# Allegro board MinnowMax_RevA1.brd (continued)
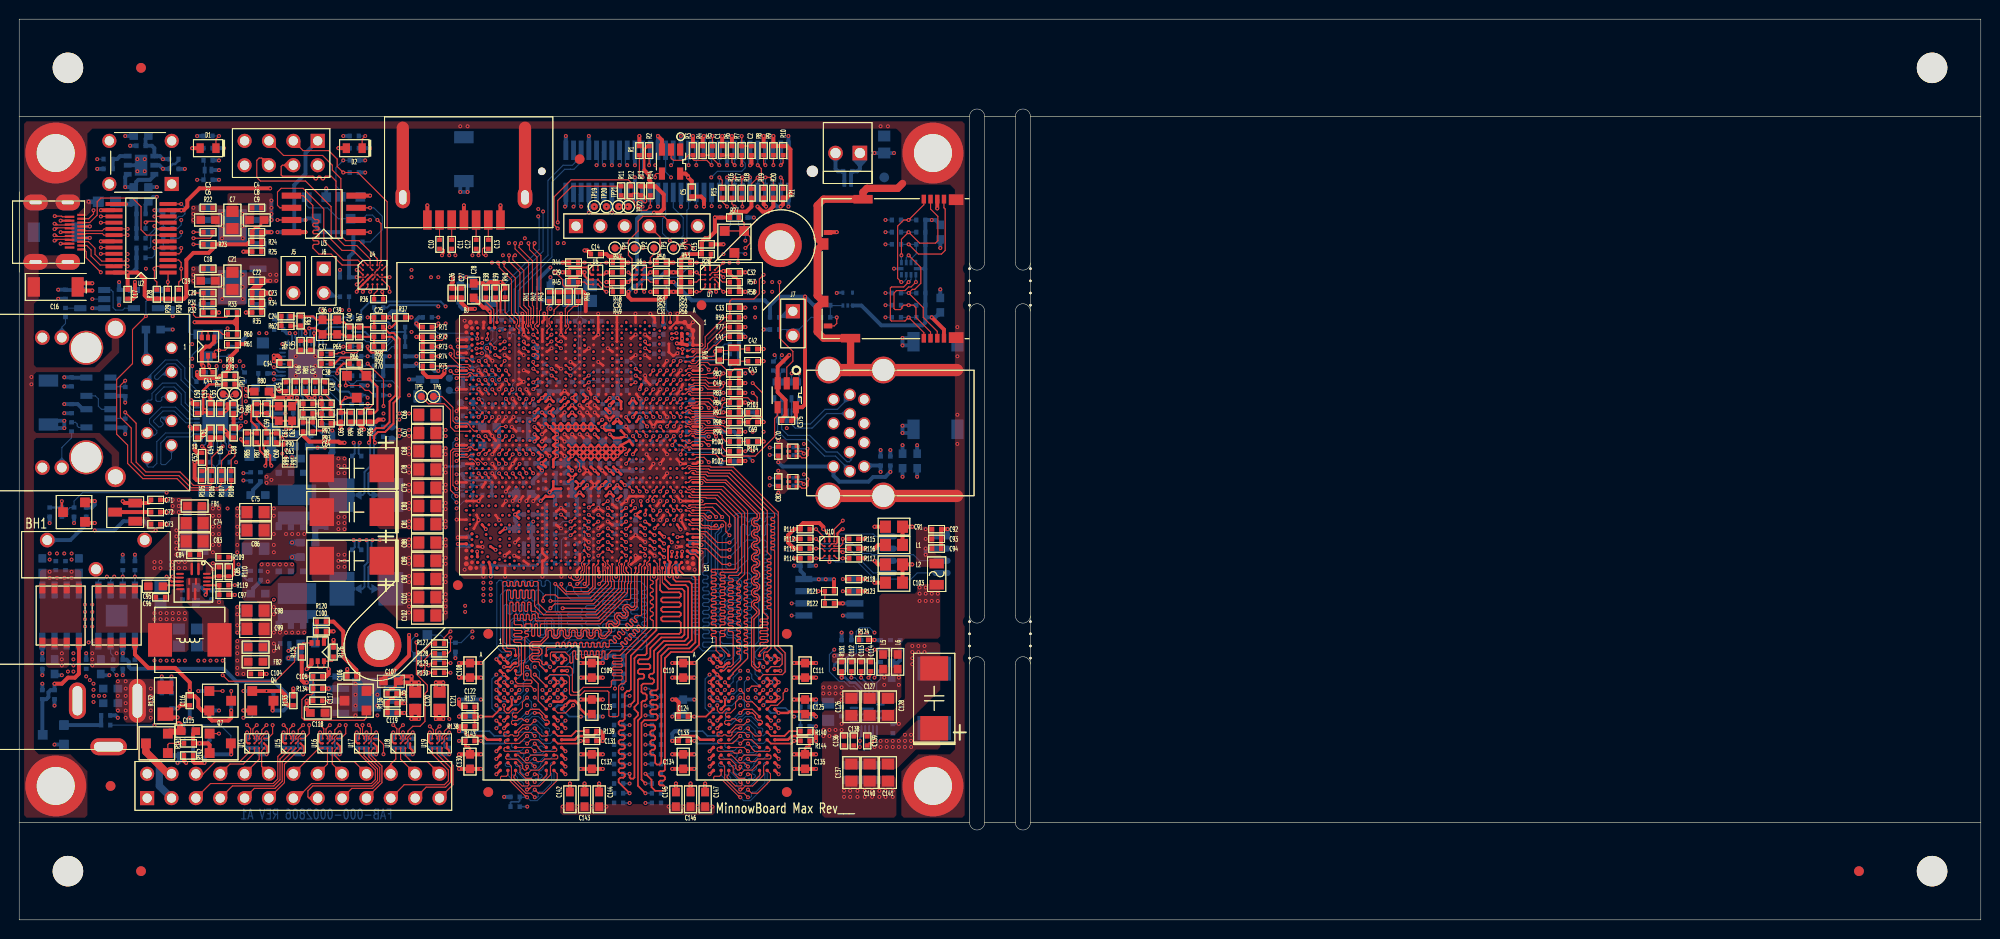
[diagram p0: board, top side]
## Routing (per net, layer and track width the routed paths; a pad name or vN(x,y) marks a point on that pad's centre or on a via; arc(x,y) is an arc through that point) (continued)
  BOTTOM w0.114: v1(78.61,78.74) 78.61,80.27 J10.56
XDP_H_TRSTB: length 32.3
  TOP w0.114: v1(76.98,78.74) 77,78.74 77.36,78.38 77.36,77.13 77.6,76.89 R19.2 ; v1(67.53,57.34) 67.32,57.05 CPU1.G12
  INT3(V) w0.102: v1(67.53,57.34) 67.88,57.7 67.88,59.75 67.56,60.07 67.56,61.09 68.96,62.48 68.96,71.75 70.92,73.72 70.92,74.73 73.15,76.96 76.2,76.96 76.58,77.34 76.58,78.34 v1(76.98,78.74)
  BOTTOM w0.114: J10.52 v1(76.98,78.74)
XTAL25_IN: length 11.3
  TOP w0.114: CPU1.AH12 57.46,56.8 v1(57.47,56.79)
  BOTTOM w0.102: 58.55,63.5 58.55,62.86 58.89,62.52 R188.1
  BOTTOM w0.114: v1(57.47,56.79) 58.55,57.87 58.55,62.12 58.89,62.47 R188.1 C175.2 ; Y2.1 59.2,64.9 58.67,64.9 58.55,64.77 58.55,63.5
XTAL25_OUT: length 11.4
  TOP w0.114: CPU1.AH10 v1(57.47,57.5)
  BOTTOM w0.114: R188.2 57.95,62.5 58.29,62.84 58.29,65.26 Y2.3 ; R188.2 57.95,62.47 58.29,62.12 58.29,58.04 57.76,57.5 v1(57.47,57.5) ; R188.2 C176.2
N18417020: length 2.7
  TOP w0.102: 55.24,64.14 55.02,63.91 55.02,63.61 55.09,63.53 55.09,63.1 55.02,63.02 CPU1.AM2
  TOP w0.114: R41.2 55.24,64.14
N18419628: length 2.8
  TOP w0.102: 56.92,63.5 56.92,62 CPU1.AH2
  TOP w0.114: R43.1 57.28,64.14 56.92,63.78 56.92,63.5
N18424203: length 4.2
  TOP w0.102: 57.28,63.5 57.15,63.37 57.15,62.21 57.28,62.08 57.28,61.85 56.96,61.53 CPU1.AH3
  TOP w0.114: 57.28,63.5 57.78,64.01 58.17,64.01 58.29,64.14 R46.1
N18467261: length 3.6
  TOP w0.114: v1(71.88,47.75) 71.37,48.26 70.61,48.26 70.42,48.07 CPU1.B30
  BOTTOM w0.114: TP15.1 v1(71.88,47.75)
N20603611: length 12
  TOP w0.114: v1(70.23,70.11) 69.85,70.48 68.58,70.48 TP4.1 ; v1(67.87,63.25) CPU1.F1
  BOTTOM w0.114: v1(70.23,70.11) 69.85,69.72 69.85,68.2 68.71,67.06 67.82,67.06 67.44,66.67 67.44,63.68 v1(67.87,63.25)
N20603657: length 21.6
  TOP w0.114: CPU1.AA22 v1(60.77,52.18) ; TP2.1 v1(65.02,70.1)
  INT3(V) w0.102: v1(60.77,52.18) 60.77,63.57 62.1,64.9 62.1,67.94 64.26,70.1 v1(65.02,70.1)
N20603668: length 27.8
  TOP w0.114: CPU1.AF30 58.42,47.62 v1(58.42,46.88) ; TP1.1 v1(62.99,70.1)
  INT3(V) w0.102: v1(62.99,70.1) 61.72,68.83 61.72,65.41 58.8,62.48 58.8,53.59 58.55,53.34 58.29,53.34 58.04,53.09 58.04,47.26 v1(58.42,46.88)
N22512410:
  vias: v1(5.08,25.91) v1(5.65,27.81) v1(5.65,27.18) v1(5.65,26.54) v1(5.65,25.91) v1(6.99,25.4) v1(7.37,25.02) v1(7.75,24.64) v1(7.75,24) v1(7.75,23.37) v1(7.75,22.73) v1(8.32,23.37) v1(8.89,23.37)
N22694973: length 2.7
  BOTTOM w0.114: R299.2 89.79,25.15 89.39,24.75 U37.18
N22704229: length 4.6
  TOP w0.406: C71.1 13.43,43.49 Q2.2 10.99,43.49 v1(10.79,43.69)
  BOTTOM w0.406: Q2.2 10.99,43.49 v1(10.79,43.69)
N22704231: length 1.8
  BOTTOM w0.406: R291.2 19.78,33.15 C306.2
N22704235: length 3.8
  TOP w0.406: C72.2 Q2.3
N22704249: length 10.1
  TOP w0.203: v1(15.37,35.81) 15.88,35.31 U13.5
  TOP w0.406: v1(15.37,42.55) C72.1
  INT3(V) w0.406: v1(15.37,35.81) 15.37,37.72 14.8,38.29 14.8,41.97 v1(15.37,42.55)
  BOTTOM w0.406: C72.1 v1(15.37,42.55)
N22704253: length 3.8
  BOTTOM w0.406: Q9.3 C283.2
N26450509: length 3.9
  TOP w0.102: 55.75,63.5 55.75,63.25 55.23,62.72 55.23,62.18 55.37,62.04 55.37,61.88 55.02,61.52 CPU1.AM3
  TOP w0.114: 55.75,63.5 55.75,63.63 56.26,64.14 R42.2
N26450953: length 3
  TOP w0.114: R40.1 50.65,63.4 51.62,62.43 CPU1.AW1

## Copper pours and planes (outline as drawn; the poured copper is in the pictures)
+3VSB on TOP: 10.41,28.45 10.79,28.45 11.05,28.7 11.05,29.08 10.79,29.34 7.62,29.34 7.37,29.08 7.37,26.54 7.62,26.29 10.16,26.29 10.41,26.54
+3VSB on BOTTOM: 8.51,27.94 7.62,27.94 7.49,27.81 7.49,26.54 7.62,26.42 8.51,26.42 8.64,26.54 8.64,27.81
+3VSB on INT3(V): 63.75,66.04 64.01,65.79 64.01,55.88 64.52,55.37 64.52,54.1 64.26,53.85 63.37,53.85 63.12,54.1 63.12,54.74 62.48,55.37 62.48,65.79 62.74,66.04
+3VSB on GND6: 7.87,10.67 7.62,10.92 7.62,15.75 5.59,17.78 2.29,17.78 2.03,18.03 2.03,64.01 2.54,64.52 2.54,67.44 20.07,67.44 20.32,67.18 20.32,33.78 20.83,33.27 46.99,33.27 47.24,33.02 47.24,10.92 46.99,10.67
+3VSB on INT7(H): 64.77,47.12 64.77,49.4 64.14,50.04 64.14,52.32 62.99,53.47 62.99,58.17 63.5,58.67 73.15,58.67 76.07,55.75 76.07,54.86 75.95,54.74 75.44,54.74 73.91,56.26 72.39,56.26 72.26,56.26 71.63,56.9 65.02,56.9 64.9,56.77 64.9,54.23 65.02,54.1 67.69,54.1 67.94,53.85 67.94,41.4 67.69,41.15 51.56,41.15 49.78,39.37 49.78,31.5 49.53,31.24 46.1,31.24 45.85,31.5 45.85,41.91 46.42,42.48 46.42,44.13 46.99,44.7 57.78,44.7 58.17,45.08 62.74,45.08
+3VSB on INT8(V): 28.19,50.29 27.94,50.04 26.04,50.04 24,52.07 21.84,52.07 19.3,54.61 19.3,54.99 19.43,55.12 22.86,55.12 23.11,54.86 23.11,53.85 23.37,53.59 24.77,53.59 26.8,51.56 27.94,51.56 28.19,51.31
+5VSB on BOTTOM (solid shape): 88.39,79.25 87.75,78.53 87.63,78.49 87.51,78.53 86.87,79.25 87.63,80.06
+5VSB on TOP: 96.01,34.8 96.01,29.59 95.76,29.34 92.33,29.34 91.95,28.96 91.95,27.69 91.69,27.43 89.92,27.43 89.66,27.69 89.66,33.78 89.92,34.04 93.34,34.04 93.6,34.29 93.6,34.8 93.85,35.05 95.76,35.05
+5VSB on TOP: 2.16,29.08 2.16,28.7 2.41,28.45 2.79,28.45 2.79,26.54 3.05,26.29 4.95,26.29 5.21,26.54 5.21,29.08 4.95,29.34 2.41,29.34
+5VSB on TOP: 22.48,25.65 22.48,29.08 22.73,29.34 24,29.34 24.26,29.08 24.26,25.65 24,25.4 22.73,25.4
+5VSB on BOTTOM: 25.02,59.94 25.78,59.94 26.04,60.2 26.04,61.21 25.78,61.47 25.02,61.47 24.77,61.21 24.77,60.2
+5VSB on BOTTOM: 4.45,27.94 3.68,27.94 3.56,27.81 3.56,26.54 3.68,26.42 4.45,26.42 4.57,26.54 4.57,27.81
+5VSB on PWR5: 7.87,10.67 7.62,10.92 7.62,15.75 5.59,17.78 2.29,17.78 2.03,18.03 2.03,29.72 2.29,29.97 8.64,29.97 8.89,29.72 8.89,27.43 9.4,26.92 17.65,26.92 18.16,27.43 18.16,65.28 18.67,65.79 20.45,65.79 20.95,66.29 20.95,74.42 21.21,74.68 24,74.68 24.51,75.18 24.51,81.79 24.77,82.04 91.19,82.04 91.44,81.79 91.44,76.96 92.2,76.2 96.77,76.2 97.03,75.95 97.03,31.24 96.77,30.99 80.52,30.99 80.26,31.24 80.26,63.5 79.76,64.01 42.42,64.01 33.53,55.12 33.53,25.65 33.27,25.4 29.72,25.4 29.21,24.89 29.21,10.67 ; 2 cut-outs
+5VSB_SW on TOP: 25.27,26.54 25.02,26.8 25.02,33.02 24.77,33.27 23.5,33.27 23.24,33.53 23.24,39.37 23.5,39.62 24.89,39.62 25.02,39.75 25.02,42.93 25.27,43.18 29.72,43.18 29.97,42.93 29.97,29.97 29.72,29.72 27.69,29.72 27.43,29.46 27.43,26.8 27.18,26.54
+5VSB_SW on BOTTOM: 27.43,38.35 27.18,38.1 25.27,38.1 25.02,38.35 25.02,42.93 25.27,43.18 26.54,43.18 27.18,42.55 29.72,42.55 29.97,42.29 29.97,40.26 29.72,40 27.69,40 27.43,39.75
+5VSB_SW on BOTTOM: 24.77,53.97 24.64,53.85 23.5,53.85 23.37,53.97 23.37,54.74 23.5,54.86 23.88,54.86 24.26,54.48 24.64,54.48 24.77,54.36
+5VSB_SW on BOTTOM: 27.43,28.07 27.18,27.81 25.27,27.81 25.02,28.07 25.02,32.64 25.27,32.89 26.54,32.89 27.18,32.26 29.72,32.26 29.97,32 29.97,29.97 29.72,29.72 27.69,29.72 27.43,29.46
+5VSB_SW on PWR5: 23.37,54.61 23.62,54.86 27.18,54.86 30.1,51.94 30.1,29.72 28.07,27.69 25.27,27.69 25.02,27.94 25.02,38.23 23.37,39.88
+5VSB_SW on INT8(V): 24.89,27.94 24.89,43.05 25.15,43.31 28.45,43.31 28.7,43.56 28.7,51.31 28.19,51.82 27.05,51.82 25.02,53.85 23.5,53.85 23.37,53.97 23.37,54.86 23.62,55.12 26.92,55.12 30.1,51.94 30.1,27.94 29.84,27.69 25.15,27.69
+V1P0A on TOP: 21.72,67.56 21.84,67.44 22.61,67.44 22.73,67.56 22.73,67.82 24.89,67.82 25.02,67.69 25.02,66.55 25.15,66.42 26.8,66.42 27.05,66.67 27.05,68.83 26.8,69.09 21.97,69.09 21.72,68.83
+V1P0A on BOTTOM: 24.77,66.93 24.64,66.8 24.64,66.55 24.77,66.42 26.8,66.42 27.05,66.67 27.05,67.31 26.8,67.56 26.16,67.56 25.91,67.31 25.91,67.18 25.65,66.93
+V1P0A on BOTTOM: 67.06,58.93 67.94,58.93 68.96,59.94 70.1,59.94 70.1,60.33 69.6,60.33 68.71,61.21 67.06,61.21
+V1P0A on INT4(H): 33.15,67.56 25.91,67.56 25.65,67.31 25.65,66.04 25.91,65.79 32.51,65.79 35.05,63.25 43.81,63.25 44.32,62.74 57.66,62.74 58.93,61.47 65.79,61.47 67.44,59.82 69.34,59.82 69.6,60.07 69.6,63.12 69.34,63.37 60.07,63.37 58.8,64.64 36.07,64.64
+V1P0A on PWR5: 69.34,51.56 69.34,60.71 69.09,60.96 65.53,60.96 65.28,60.71 65.28,54.36 64.9,53.97 61.21,53.97 60.96,53.72 60.96,51.56 61.21,51.31 69.09,51.31
+V1P0S on BOTTOM: 44.2,20.83 44.32,20.95 44.32,22.35 44.2,22.48 40.89,22.48 40.26,23.11 38.35,23.11 38.1,22.86 38.1,21.08 38.35,20.83
+V1P0S on INT3(V): 61.09,49.53 61.98,50.42 61.98,50.8 61.09,51.69 61.09,54.61 61.34,54.86 62.61,54.86 62.87,54.61 62.87,50.17 63.75,49.28 63.75,45.34 63.5,45.08 62.87,45.08 62.61,45.34 62.61,45.97 62.1,46.48 61.34,46.48 61.09,46.74
+V1P0S on PWR5: 34.04,54.86 34.04,25.65 34.29,25.4 37.85,25.4 38.35,24.89 38.35,20.83 38.61,20.57 44.2,20.57 44.45,20.83 44.45,30.99 44.2,31.24 40.39,31.24 36.58,35.05 36.58,49.15 40.39,52.96 52.83,52.96 53.09,52.7 55.75,52.7 56.64,53.59 60.2,53.59 60.83,54.23 64.64,54.23 65.02,54.61 65.02,56.52 64.77,56.77 64.77,60.96 65.28,61.47 69.34,61.47 69.85,60.96 69.85,49.78 70.1,49.53 79.5,49.53 79.76,49.78 79.76,63.25 79.5,63.5 42.67,63.5
+V1P0S on INT7(H): 57.4,45.85 57.53,45.72 57.78,45.72 58.04,45.97 62.48,45.97 62.74,46.23 62.74,46.86 62.48,47.12 57.53,47.12 57.4,46.99
+V1P8A on INT3(V): 61.72,50.67 61.72,50.55 60.71,49.53 60.71,44.45 60.45,44.2 59.18,44.2 57.91,42.93 57.91,38.99 49.66,30.73 46.99,30.73 46.74,30.48 46.74,19.56 46.48,19.3 43.43,19.3 43.18,19.56 43.18,21.59 43.43,21.84 44.96,21.84 45.21,22.1 45.21,31.75 45.47,32 49.02,32 55.37,38.35 55.37,43.81 58.17,46.61 58.55,46.61 58.67,46.74 58.67,52.96 59.31,53.59 59.31,54.61 59.44,54.74 60.33,54.74 60.45,54.61 60.45,51.94
+V1P8A on PWR5: 61.21,50.93 60.96,50.67 60.96,50.17 61.21,49.91 63.5,49.91 63.88,49.53 63.88,47.88 64.14,47.62 79.5,47.62 79.76,47.88 79.76,48.89 79.5,49.15 69.85,49.15 69.34,49.66 69.34,50.67 69.09,50.93
+V1P8S on TOP: 21.72,73.91 21.84,73.79 22.61,73.79 22.73,73.91 22.73,74.68 22.86,74.8 24.89,74.8 25.02,74.68 25.02,72.9 25.15,72.77 26.29,72.77 26.42,72.9 26.42,75.69 26.29,75.82 21.84,75.82 21.72,75.69
+V1P8S on INT3(V): 39.37,38.35 39.37,49.66 40.13,50.42 40.13,57.91 33.66,64.39 25.91,64.39 24.13,62.61 24.13,60.96 23.88,60.71 23.37,60.71 23.11,60.96 23.11,75.18 23.37,75.44 28.83,75.44 41.78,62.48 41.78,60.58 46.1,56.26 46.1,45.08 42.16,41.15 42.16,37.34 35.05,30.23 35.05,27.18 36.83,25.4 36.83,19.69 36.45,19.3 24.64,19.3 24.38,19.56 24.38,21.08 24.64,21.34 31.24,21.34 31.5,21.59 31.5,30.48
+V1P8S on INT4(H): 47.37,46.74 45.47,46.74 45.34,46.61 45.34,46.1 45.97,45.47 54.86,45.47 55.12,45.72 55.12,46.86 54.86,47.12 54.1,47.12 53.85,46.86 53.85,46.48 53.72,46.36 47.75,46.36
+V1P8S on INT7(H): 38.35,68.83 30.99,68.83 30.73,68.58 30.73,66.8 30.99,66.55 38.1,66.55 39.12,65.53 59.94,65.53 60.58,66.17 68.45,66.17 68.58,66.29 68.58,67.06 68.45,67.18 64.64,67.18 63.75,68.07 57.66,68.07 56.13,66.55 40.64,66.55
+V1P8S on INT7(H): 22.86,17.78 22.86,19.81 23.11,20.07 41.4,20.07 41.66,19.81 41.66,17.78 41.4,17.53 23.11,17.53
+V1P8S on INT8(V): 54.86,47.88 58.29,44.45 62.36,44.45 62.61,44.2 62.61,43.69 62.48,43.56 57.4,43.56 54.23,46.74 54.23,47.75 54.36,47.88
+V1P35S on TOP: 36.07,23.5 36.83,23.5 37.47,24.13 37.97,24.13 38.35,24.51 38.35,25.27 38.99,25.91 35.05,25.91 34.92,25.78 34.92,25.27 35.05,25.15 35.43,25.15 35.81,24.77 35.81,23.75
+V1P35S on INT8(V): 44.96,67.56 46.74,67.56 46.99,67.31 46.99,66.8 44.45,64.26 43.69,64.26 43.43,64.01 43.43,32 40.77,29.34 40.39,29.34 40.26,29.46 40.26,30.35 42.42,32.51 42.42,65.02
+VCC3S on INT3(V): 54.61,51.82 50.04,51.82 49.78,51.56 49.78,49.78 50.04,49.53 51.31,49.53 52.07,48.77 54.61,48.77 54.86,49.02 54.86,51.56
AVDDREG on BOTTOM: 22.35,50.97 22.35,51.18 23.24,51.18 24.26,52.2 24.26,52.7 24.38,52.83 24.89,52.83 25.02,52.7 25.02,51.18 24.81,50.97
GND on TOP: 46.61,37.85 46.35,37.59 46.35,36.58 46.48,36.45 47.5,36.45 47.75,36.7 47.75,36.83 46.74,37.85
GND on TOP: 83.69,21.59 83.95,21.84 91.06,21.84 92.33,23.11 92.33,28.7 92.58,28.96 95.76,28.96 96.01,28.7 96.01,24 91.31,19.3 88.9,19.3 88.65,19.05 85.72,19.05 85.47,18.8 85.47,15.24 85.72,14.99 91.19,14.99 91.44,14.73 91.44,10.92 91.19,10.67 83.95,10.67 83.69,10.92
GND on TOP: 79.12,46.99 79.76,46.99 80.39,46.36 80.39,46.23 80.26,46.1 79.12,46.1 78.99,46.23 78.99,46.86
GND on TOP: 47.75,62.36 47.5,62.61 46.48,62.61 46.35,62.48 46.35,61.47 46.61,61.21 46.74,61.21 47.75,62.23
GND on TOP: 79.12,50.17 79.76,50.17 80.39,49.53 80.39,49.4 80.26,49.28 79.12,49.28 78.99,49.4 78.99,50.04
GND on TOP: 69.09,36.7 69.34,36.45 70.36,36.45 70.48,36.58 70.48,37.59 70.23,37.85 70.1,37.85 69.09,36.83
GND on TOP: 33.91,48.39 34.16,48.13 34.16,40.64 33.91,40.39 30.73,40.39 30.48,40.64 30.48,48.13 30.73,48.39
GND on TOP: 44.45,31.24 44.7,31.5 44.7,39.62 44.45,39.88 43.18,39.88 42.93,39.62 42.93,31.5 43.18,31.24
GND on TOP: 28.07,56.64 28.07,59.44 28.19,59.56 31.5,59.56 31.62,59.44 31.62,56.64 32,56.26 32,56.13 31.88,56.01 27.81,56.01 27.69,56.13 27.69,56.26
GND on TOP: 15.75,40.64 13.08,37.97 13.08,33.66 13.34,33.4 14.22,33.4 14.35,33.53 14.35,34.04 14.22,34.16 13.97,34.16 13.84,34.29 13.84,35.43 14.86,36.45 18.11,36.45 18.11,37.59 18.03,37.67 18.03,41.91 17.91,42.04 15.88,42.04 15.75,41.91
GND on TOP: 27.18,47.62 28.45,47.62 28.7,47.37 28.7,45.59 28.45,45.34 25.78,45.34 25.53,45.59 25.53,46.36 25.78,46.61 26.16,46.61
GND on TOP: 28.45,37.34 28.7,37.08 28.7,36.32 28.45,36.07 27.18,36.07 26.16,35.05 25.27,35.05 25.02,35.31 25.02,37.08 25.27,37.34
GND on TOP: 72.01,59.82 71.63,60.2 71.63,60.58 73.53,62.48 75.06,62.48 75.18,62.36 75.18,61.34 75.06,61.21 73.66,61.21 72.26,59.82
GND on TOP: 44.7,49.15 44.7,41.02 44.45,40.77 43.18,40.77 42.93,41.02 42.93,53.09 43.05,53.21 43.81,53.21 43.94,53.09 43.94,49.4 44.45,49.4
GND on TOP: 20.83,70.99 20.83,72.14 19.94,73.03 19.94,74.42 20.07,74.55 21.21,74.55 21.34,74.42 21.34,72.77 21.46,72.64 22.99,72.64 23.11,72.77 23.11,74.42 23.24,74.55 24.38,74.55 24.51,74.42 24.51,73.03 23.62,72.14 23.62,70.99 23.5,70.87 20.95,70.87
GND on TOP: 19.43,36.07 19.94,36.07 20.45,36.58 21.97,36.58 21.97,37.21 21.84,37.34 19.69,37.34 19.43,37.08
GND on TOP: 22.73,29.72 22.48,29.97 22.48,32.64 22.73,32.89 24,32.89 24.26,32.64 24.26,29.97 24,29.72
GND on TOP: 45.47,62.48 46.48,63.5 70.36,63.5 71.37,62.48 71.37,36.32 70.61,35.56 46.35,35.56 45.47,36.45
GND on TOP: 23.24,40 22.99,39.75 22.99,38.23 22.86,38.1 22.61,38.1 22.48,38.23 22.48,42.93 22.73,43.18 24,43.18 24.26,42.93 24.26,40.26 24,40
GND on TOP: 19.94,68.07 20.07,68.2 21.21,68.2 21.34,68.07 21.34,66.42 21.46,66.29 22.99,66.29 23.11,66.42 23.11,67.44 23.24,67.56 24.38,67.56 24.51,67.44 24.51,66.67 23.62,65.79 23.62,64.26 23.5,64.14 20.07,64.14 19.94,64.26
GND on TOP: 30.48,39.37 30.48,35.56 30.73,35.31 33.91,35.31 34.16,35.56 34.16,39.37 33.91,39.62 30.73,39.62
GND on BOTTOM: 28.45,37.34 28.7,37.08 29.59,37.08 29.84,36.83 29.84,36.32 29.59,36.07 27.18,36.07 26.16,35.05 25.78,35.05 25.65,35.18 25.65,36.07 25.53,36.2 25.15,36.2 25.02,36.32 25.02,37.21 25.15,37.34
GND on BOTTOM: 38.35,25.15 38.1,25.4 38.1,25.91 38.35,26.16 40.77,26.16 41.91,25.02 41.91,23.37 41.66,23.11 40.89,23.11 40.64,23.37 40.64,24.51 40.01,25.15
GND on BOTTOM: 41.15,50.55 41.15,50.93 40.64,50.93 40.39,51.18 40.39,54.86 40.64,55.12 41.91,55.12 42.16,54.86 42.16,50.55 41.91,50.29 41.4,50.29
GND on BOTTOM: 22.73,38.1 22.48,38.35 22.48,42.93 22.73,43.18 24,43.18 24.26,42.93 24.26,38.35 24,38.1
GND on BOTTOM: 18.92,61.98 18.8,62.1 18.8,63.37 18.92,63.5 20.7,63.5 20.83,63.63 20.83,68.45 20.7,68.58 18.92,68.58 18.8,68.71 18.8,69.09 25.65,69.09 25.65,68.71 25.53,68.58 23.75,68.58 23.62,68.45 23.62,64.52 23.75,64.39 25.53,64.39 25.65,64.26 25.65,62.1 25.53,61.98
GND on BOTTOM: 23.5,27.81 23.24,28.07 23.24,29.21 22.48,29.97 22.48,32.64 22.73,32.89 24,32.89 24.26,32.64 24.26,28.07 24,27.81
GND on BOTTOM: 85.85,18.92 85.98,19.05 85.98,19.43 87.12,20.57 87.63,20.57 87.76,20.7 89.03,20.7 89.03,21.54 86.44,21.54 86.36,21.46 83.82,21.46 83.57,21.21 83.57,19.18 83.82,18.92
GND on BOTTOM: 44.7,41.02 44.7,49.15 44.45,49.4 43.18,49.4 42.93,49.15 42.93,41.02 43.18,40.77 44.45,40.77
GND on BOTTOM: 46.35,35.56 45.47,36.45 45.47,62.48 46.48,63.5 56.13,63.5 56.13,67.82 60.71,67.82 60.71,63.5 70.36,63.5 72.14,61.72 75.06,61.72 75.06,60.45 73.53,60.45 72.01,58.93 71.37,58.93 71.37,36.45 70.48,35.56 ; 4 cut-outs
GND on BOTTOM: 2.16,37.59 2.16,38.23 2.41,38.48 6.22,38.48 6.48,38.23 6.48,37.59 6.22,37.34 2.41,37.34
GND on BOTTOM: 91.44,10.92 91.19,10.67 85.85,10.67 85.6,10.92 85.6,14.73 85.85,14.99 91.19,14.99 91.44,14.73
GND on BOTTOM: 17.91,47.75 17.91,43.94 18.16,43.69 22.73,43.69 22.99,43.94 22.99,47.75 22.73,48.01 18.16,48.01
GND on BOTTOM: 42.93,39.62 43.18,39.88 44.45,39.88 44.7,39.62 44.7,31.5 44.45,31.24 43.18,31.24 42.93,31.5
GND on BOTTOM: 17.53,35.56 17.91,35.94 17.91,41.02 17.78,41.15 16,41.15 13.84,38.99 13.84,34.42 13.97,34.29 17.4,34.29 17.53,34.42
GND on BOTTOM: 28.45,47.62 28.7,47.37 29.59,47.37 29.84,47.12 29.84,46.61 29.59,46.36 27.18,46.36 26.16,45.34 25.78,45.34 25.65,45.47 25.65,46.36 25.53,46.48 25.15,46.48 25.02,46.61 25.02,46.86 25.15,46.99 26.04,46.99 26.29,47.24 26.29,47.37 26.54,47.62
GND on BOTTOM: 25.65,75.69 25.65,75.06 25.53,74.93 23.75,74.93 23.62,74.8 23.62,70.87 23.75,70.74 25.53,70.74 25.65,70.61 25.65,69.34 18.8,69.34 18.8,69.72 18.92,69.85 20.7,69.85 20.83,69.98 20.83,74.8 20.7,74.93 18.92,74.93 18.8,75.06 18.8,75.69 18.92,75.82 25.53,75.82
GND on BOTTOM: 12.32,33.15 12.32,30.35 2.16,30.35 2.16,33.15
GND on BOTTOM: 13.72,28.7 13.72,26.8 13.84,26.67 21.34,26.67 21.46,26.8 21.46,28.7 21.34,28.83 13.84,28.83
GND on GND2: 91.19,10.67 91.44,10.92 91.44,15.75 93.47,17.78 96.77,17.78 97.03,18.03 97.03,47.5 96.77,47.75 83.57,47.75 83.19,48.13 83.19,55.37 83.57,55.75 96.77,55.75 97.03,56.01 97.03,75.95 96.77,76.2 92.2,76.2 91.44,76.96 91.44,81.79 91.19,82.04 7.87,82.04 7.62,81.79 7.62,77.22 6.86,76.45 6.86,74.42 6.1,73.66 2.54,73.66 2.54,69.85 6.1,69.85 6.86,69.09 6.86,68.2 6.1,67.44 2.54,67.44 2.54,64.52 2.03,64.01 2.03,18.03 2.29,17.78 5.59,17.78 7.62,15.75 7.62,10.92 7.87,10.67 ; 53 cut-outs
GND on GND6: 48.01,10.67 91.19,10.67 91.44,10.92 91.44,15.75 93.47,17.78 96.77,17.78 97.03,18.03 97.03,47.5 96.77,47.75 83.57,47.75 83.19,48.13 83.19,55.37 83.57,55.75 83.82,55.75 96.77,55.75 97.03,56.01 97.03,75.95 96.77,76.2 92.2,76.2 91.44,76.96 91.44,81.79 91.19,82.04 7.87,82.04 7.62,81.79 7.62,77.22 6.86,76.45 6.86,74.42 6.1,73.66 2.54,73.66 2.54,69.85 6.1,69.85 6.86,69.09 6.86,68.2 6.6,67.94 20.32,67.94 20.83,67.44 20.83,34.04 21.08,33.78 47.24,33.78 47.75,33.27 47.75,10.92 ; 21 cut-outs
GND on GND9: 91.19,10.67 91.44,10.92 91.44,15.75 93.47,17.78 96.77,17.78 97.03,18.03 97.03,75.95 96.77,76.2 92.2,76.2 91.44,76.96 91.44,81.79 91.19,82.04 7.87,82.04 7.62,81.79 7.62,77.22 6.86,76.45 6.86,74.42 6.1,73.66 2.54,73.66 2.54,69.85 6.1,69.85 6.86,69.09 6.86,68.2 6.1,67.44 2.54,67.44 2.54,64.52 2.03,64.01 2.03,18.03 2.29,17.78 5.59,17.78 7.62,15.75 7.62,10.92 7.87,10.67 ; 3 cut-outs
GND_EARTH on TOP: 6.86,10.67 7.11,10.92 7.11,15.49 5.33,17.27 2.03,17.27 1.52,17.78 1.52,50.04 1.78,50.29 7.87,50.29 9.65,48.51 9.65,46.23 9.91,45.97 10.16,45.97 10.41,46.23 10.41,48.77 8.38,50.8 1.78,50.8 1.52,51.05 1.52,56.9 1.78,57.15 8.38,57.15 10.41,59.18 10.41,61.72 10.16,61.98 9.91,61.98 9.65,61.72 9.65,59.44 7.87,57.66 1.78,57.66 1.52,57.91 1.52,64.26 2.03,64.77 2.03,67.94 5.84,67.94 6.1,68.2 6.1,69.09 5.84,69.34 2.03,69.34 2.03,74.17 5.84,74.17 6.35,74.68 6.35,76.71 7.11,77.47 7.11,82.04 7.62,82.55 91.44,82.55 91.95,82.04 91.95,76.71 97.03,76.71 97.54,76.2 97.54,17.78 97.03,17.27 93.73,17.27 91.95,15.49 91.95,10.92 92.2,10.67 98.3,10.67 98.55,10.92 98.55,83.06 98.3,83.31 0.76,83.31 0.51,83.06 0.51,10.92 0.76,10.67
GND_EARTH on BOTTOM: 6.86,10.67 7.11,10.92 7.11,15.49 5.33,17.27 2.03,17.27 1.52,17.78 1.52,55.63 3.05,55.63 3.3,55.88 3.3,56.64 3.05,56.9 1.52,56.9 1.52,64.26 2.03,64.77 2.03,67.94 5.84,67.94 6.1,68.2 6.1,69.09 5.84,69.34 2.03,69.34 2.03,74.17 5.84,74.17 6.35,74.68 6.35,76.71 7.11,77.47 7.11,82.04 7.62,82.55 45.59,82.55 45.59,81.79 45.85,81.53 46.86,81.53 47.12,81.79 47.12,82.55 89.66,82.55 89.66,81.79 89.92,81.53 90.42,81.53 90.68,81.79 90.68,82.55 91.44,82.55 91.95,82.04 91.95,77.22 92.46,76.71 97.03,76.71 97.54,76.2 97.54,17.78 97.03,17.27 93.73,17.27 91.95,15.49 91.95,10.92 92.2,10.67 98.3,10.67 98.55,10.92 98.55,83.06 98.3,83.31 0.76,83.31 0.51,83.06 0.51,10.92 0.76,10.67
GND_EARTH on GND2: 6.86,10.67 7.11,10.92 7.11,15.49 5.33,17.27 2.03,17.27 1.52,17.78 1.52,64.26 2.03,64.77 2.03,67.94 5.84,67.94 6.1,68.2 6.1,69.09 5.84,69.34 2.03,69.34 2.03,74.17 5.84,74.17 6.35,74.68 6.35,76.71 7.11,77.47 7.11,82.04 7.62,82.55 91.44,82.55 91.95,82.04 91.95,77.22 92.46,76.71 97.03,76.71 97.54,76.2 97.54,17.78 97.03,17.27 93.73,17.27 91.95,15.49 91.95,10.92 92.2,10.67 98.3,10.67 98.55,10.92 98.55,83.06 98.3,83.31 0.76,83.31 0.51,83.06 0.51,10.92 0.76,10.67
GND_EARTH on PWR5, GND6, GND9: 6.86,10.67 7.11,10.92 7.11,15.49 5.33,17.27 2.03,17.27 1.52,17.78 1.52,64.26 2.03,64.77 2.03,67.94 5.84,67.94 6.1,68.2 6.1,69.09 5.84,69.34 2.03,69.34 2.03,74.17 5.84,74.17 6.35,74.68 6.35,76.71 7.11,77.47 7.11,82.04 7.62,82.55 91.44,82.55 91.95,82.04 91.95,77.22 92.46,76.71 97.03,76.71 97.54,76.2 97.54,17.78 97.03,17.27 93.73,17.27 91.95,15.49 91.95,10.92 92.2,10.67 98.3,10.67 98.55,10.92 98.55,83.06 98.3,83.31 0.76,83.31 0.51,83.06 0.51,10.92 0.76,10.67
VBUS1 on TOP: 79.12,45.34 80.26,45.34 80.39,45.21 80.39,45.08 79.76,44.45 79.12,44.45 78.99,44.58 78.99,45.21
VBUS2 on TOP: 79.12,48.51 80.26,48.51 80.39,48.39 80.39,48.26 79.76,47.62 79.12,47.62 78.99,47.75 78.99,48.39
VCC_ICLK_V1P35 on INT3(V): 50.16,60.45 50.16,53.72 50.67,53.21 56.9,53.21 57.15,53.47 57.15,53.85 56.9,54.1 51.44,54.1 51.18,54.36 51.18,60.96 48.13,64.01 47.37,64.01 47.24,63.88 47.24,63.37
VCC_UNCORE_V1P35 on INT8(V): 62.61,46.36 62.61,44.96 62.36,44.7 58.55,44.7 57.02,46.23 57.02,53.85 57.28,54.1 60.2,54.1 60.45,53.85 60.45,48.51
VCC_VIS_V1P0 on BOTTOM: 42.93,50.42 42.93,56.52 43.05,56.64 43.81,56.64 43.94,56.52 43.94,53.21 44.45,53.21 44.7,52.96 44.7,50.55 44.45,50.29 43.05,50.29
VCC_VIS_V1P0 on INT7(H): 44.2,48.77 43.94,49.02 43.94,51.56 44.2,51.82 45.72,51.82 45.97,52.07 45.97,53.34 46.23,53.59 60.96,53.59 61.21,53.34 61.21,48.51 60.96,48.26 54.1,48.26 53.59,48.77
VDD1.0 on BOTTOM: 26.16,49.4 26.16,48.13 26.42,47.88 27.94,47.88 28.07,48.01 28.07,48.39 28.83,49.15 28.83,49.53 28.7,49.66 26.42,49.66
VDD1.0 on INT8(V): 17.78,54.61 17.53,54.36 17.53,48.01 17.78,47.75 27.94,47.75 28.19,48.01 28.19,49.53 27.94,49.78 25.78,49.78 23.75,51.82 21.72,51.82 18.92,54.61
+CG_VIN on BOTTOM: 26.16,53.85 27.05,53.85 27.43,54.23 27.43,54.74 27.69,54.99 27.94,54.99 28.07,55.12 28.07,55.5 27.94,55.63 27.05,55.63 26.8,55.37 26.8,54.74 26.54,54.48 26.16,54.48 26.04,54.36 26.04,53.97
+CORE_VCCP on BOTTOM: 25.15,58.17 25.27,58.04 26.67,58.04 26.8,58.17 26.8,58.93 26.67,59.06 26.42,59.06 26.29,58.93 25.27,58.93 25.15,58.8
+PS_3VSB on TOP: 13.97,27.94 13.72,28.19 13.72,29.97 8,29.97 8,34.92 12.32,34.92 12.32,33.66 12.83,33.15 14.86,33.15 14.99,33.27 14.99,33.78 15.11,33.91 15.75,33.91 15.88,34.04 15.88,34.42 16,34.54 16.89,34.54 17.02,34.42 17.02,32.77 17.65,32.13 17.65,28.19 17.4,27.94
+PS_3VSB on TOP: 19.3,66.42 19.18,66.29 18.03,66.29 17.91,66.42 17.91,68.07 18.03,68.2 19.18,68.2 19.3,68.07
+PS_3VSB on TOP: 19.3,72.77 19.18,72.64 18.03,72.64 17.91,72.77 17.91,74.42 18.03,74.55 19.18,74.55 19.3,74.42
+PS_3VSB on BOTTOM: 18.16,66.42 18.03,66.55 18.03,68.07 18.16,68.2 20.19,68.2 20.32,68.07 20.32,66.55 20.19,66.42
+PS_3VSB on BOTTOM: 13.72,30.23 13.84,30.1 21.34,30.1 21.46,30.23 21.46,32.13 21.34,32.26 17.65,32.26 17.53,32.39 17.53,33.4 17.4,33.53 13.84,33.53 13.72,33.4
+PS_3VSB on BOTTOM: 18.16,72.77 18.03,72.9 18.03,74.42 18.16,74.55 20.19,74.55 20.32,74.42 20.32,72.9 20.19,72.77
+PS_3VSB on PWR5: 20.19,74.68 20.45,74.42 20.45,66.55 20.19,66.29 17.91,66.29 17.65,66.55 17.65,74.42 17.91,74.68
+PS_3VSB on INT8(V): 2.03,64.01 2.54,64.52 2.54,67.44 6.1,67.44 6.86,68.2 6.86,69.09 6.1,69.85 2.54,69.85 2.54,73.66 6.1,73.66 6.86,74.42 6.86,76.45 7.62,77.22 7.62,81.79 7.87,82.04 21.59,82.04 21.84,81.79 21.84,76.96 21.59,76.71 13.08,76.71 10.29,73.91 8.38,73.91 7.87,73.41 7.87,69.09 9.14,67.82 13.08,67.82 13.46,68.2 18.29,68.2 18.54,67.94 18.54,59.94 16.76,58.17 16.76,46.36 17.53,45.59 17.53,30.48 17.27,30.23 2.29,30.23 2.03,30.48
+PS_5VSB on TOP: 2.16,36.32 2.41,36.58 6.22,36.58 6.48,36.32 6.48,29.97 2.16,29.97
+PS_5VSB on TOP: 13.97,41.53 13.97,41.02 14.22,40.77 14.35,40.77 14.48,40.64 14.48,40.51 14.35,40.39 13.72,40.39 12.95,41.15 11.94,41.15 11.81,41.27 11.81,41.91 11.94,42.04 13.46,42.04
+PS_5VSB on TOP: 18.03,42.42 17.91,42.29 15.88,42.29 15.75,42.42 15.75,43.94 15.88,44.07 17.91,44.07 18.03,43.94
+PS_5VSB on BOTTOM: 2.41,33.78 6.22,33.78 6.48,34.04 6.48,36.32 6.22,36.58 2.41,36.58 2.16,36.32 2.16,34.04
+PS_5VSB on BOTTOM: 17.91,42.29 15.88,42.29 15.75,42.42 15.75,43.94 15.88,44.07 17.27,44.07 18.03,43.31 18.03,42.42
+PS_5VSB on PWR5: 2.03,30.73 2.29,30.48 8.89,30.48 9.4,29.97 9.4,27.69 9.65,27.43 17.4,27.43 17.65,27.69 17.65,65.79 17.14,66.29 17.14,74.68 17.65,75.18 23.75,75.18 24,75.44 24,81.79 23.75,82.04 7.87,82.04 7.62,81.79 7.62,77.22 6.86,76.45 6.86,74.42 6.1,73.66 2.54,73.66 2.54,69.85 6.1,69.85 6.86,69.09 6.86,68.2 6.1,67.44 2.54,67.44 2.54,64.52 2.03,64.01
+USBVCC on TOP: 95.38,38.35 95.38,40.77 95.12,41.02 93.73,41.02 93.47,40.77 93.47,37.08 93.73,36.83 96.01,36.83 96.27,37.08 96.27,37.85 96.01,38.1 95.63,38.1
